# Altium PCB PCB1.PcbDoc
Units mm, origin at the board's own origin, x right, y up, seen from the top; angles counter-clockwise.
Board outline 232.41 x 119.38 mm, 2 copper layers (Top Layer, Bottom Layer); 157 components, 99 nets, 400 pads, 21 vias.
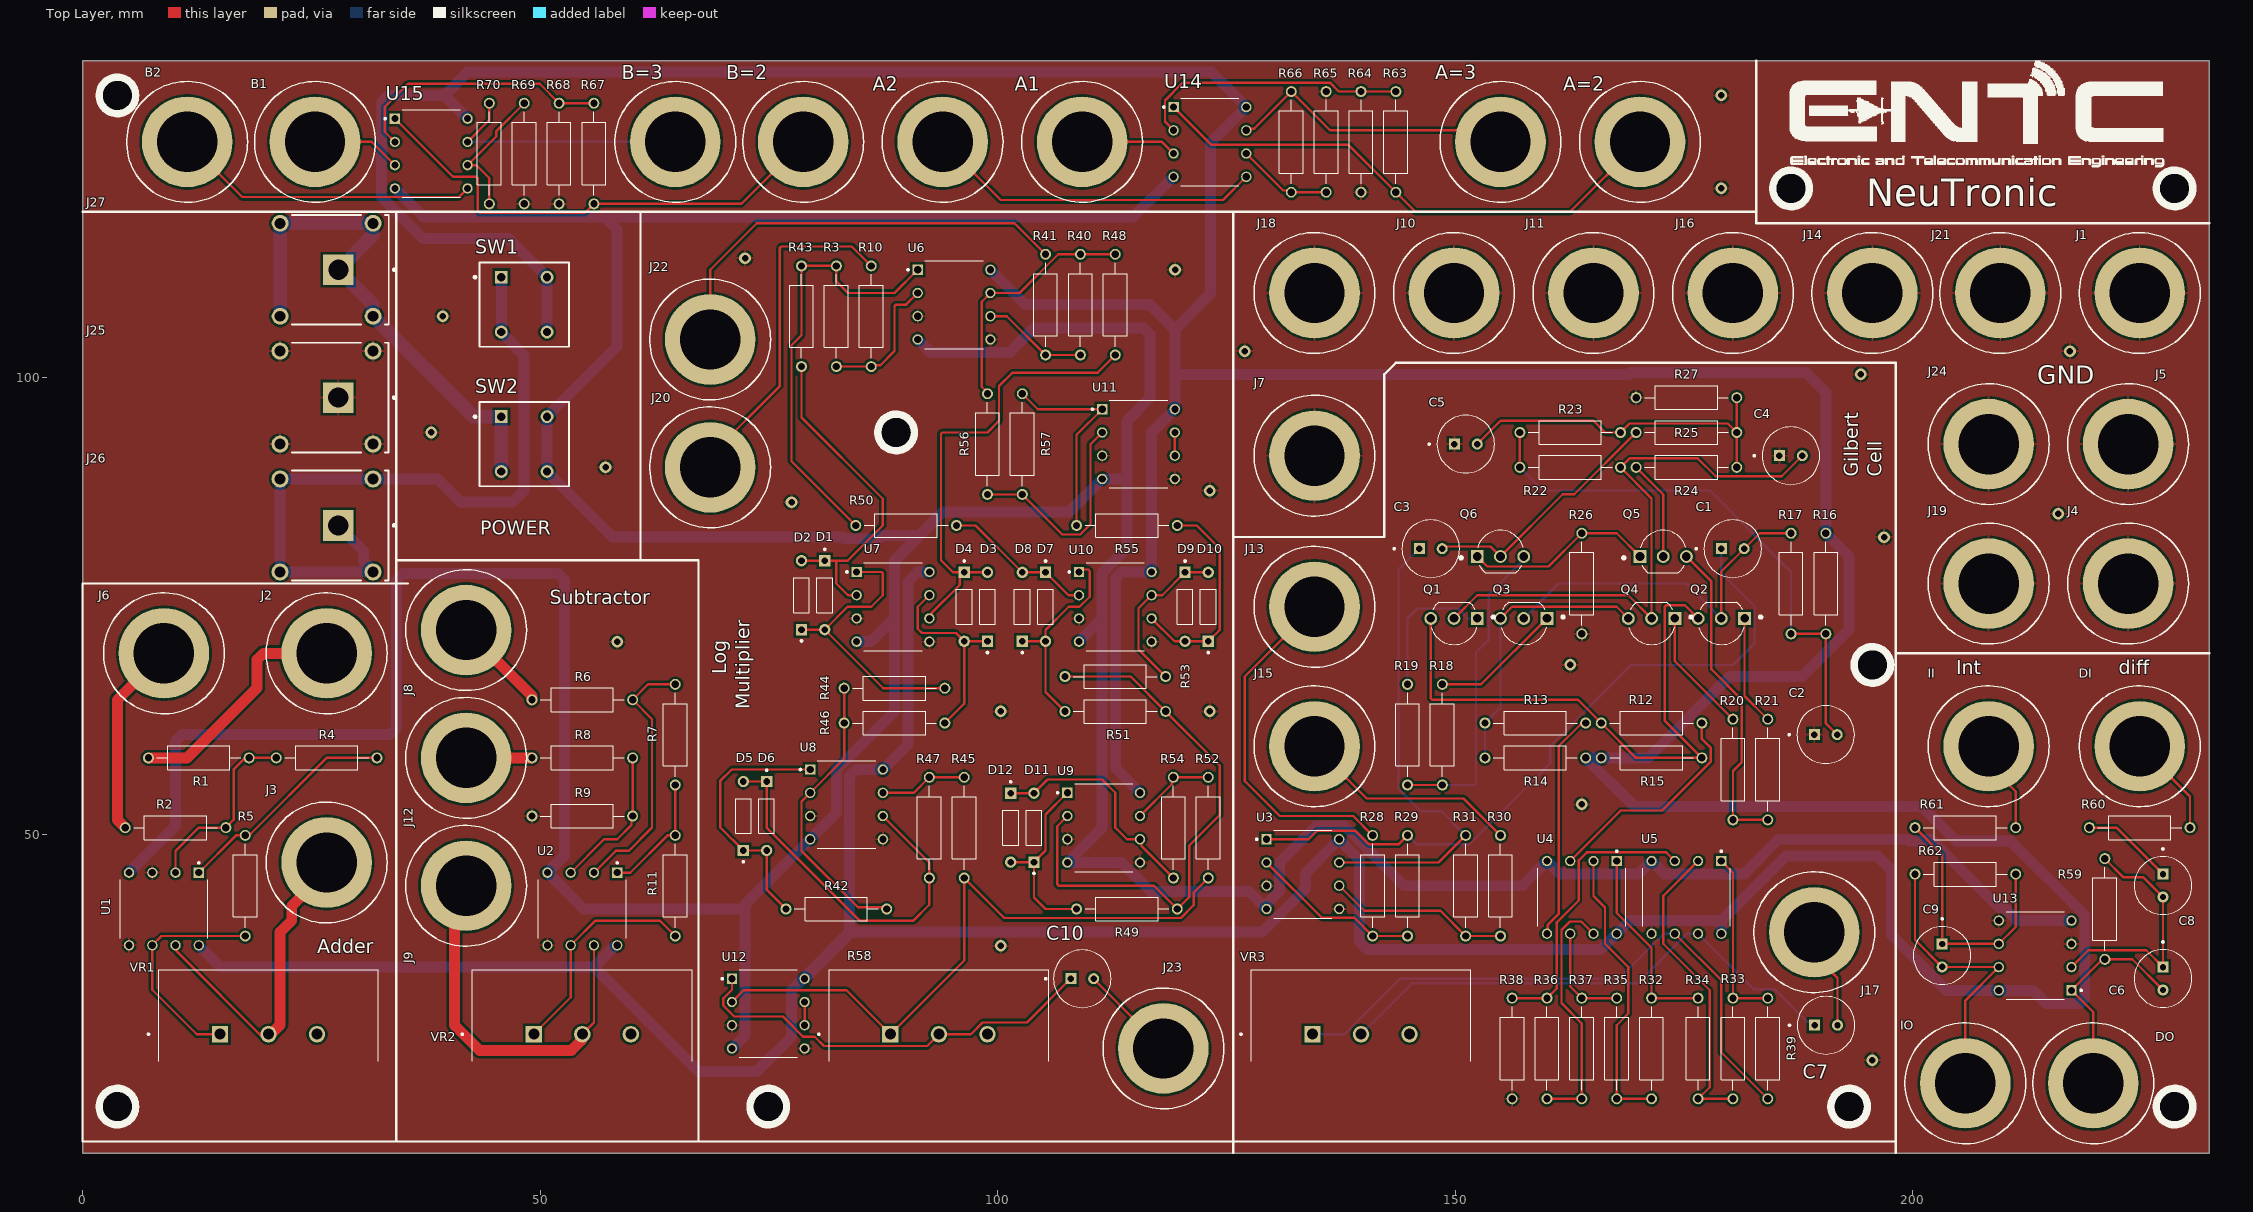
[diagram p0: Top Layer view]
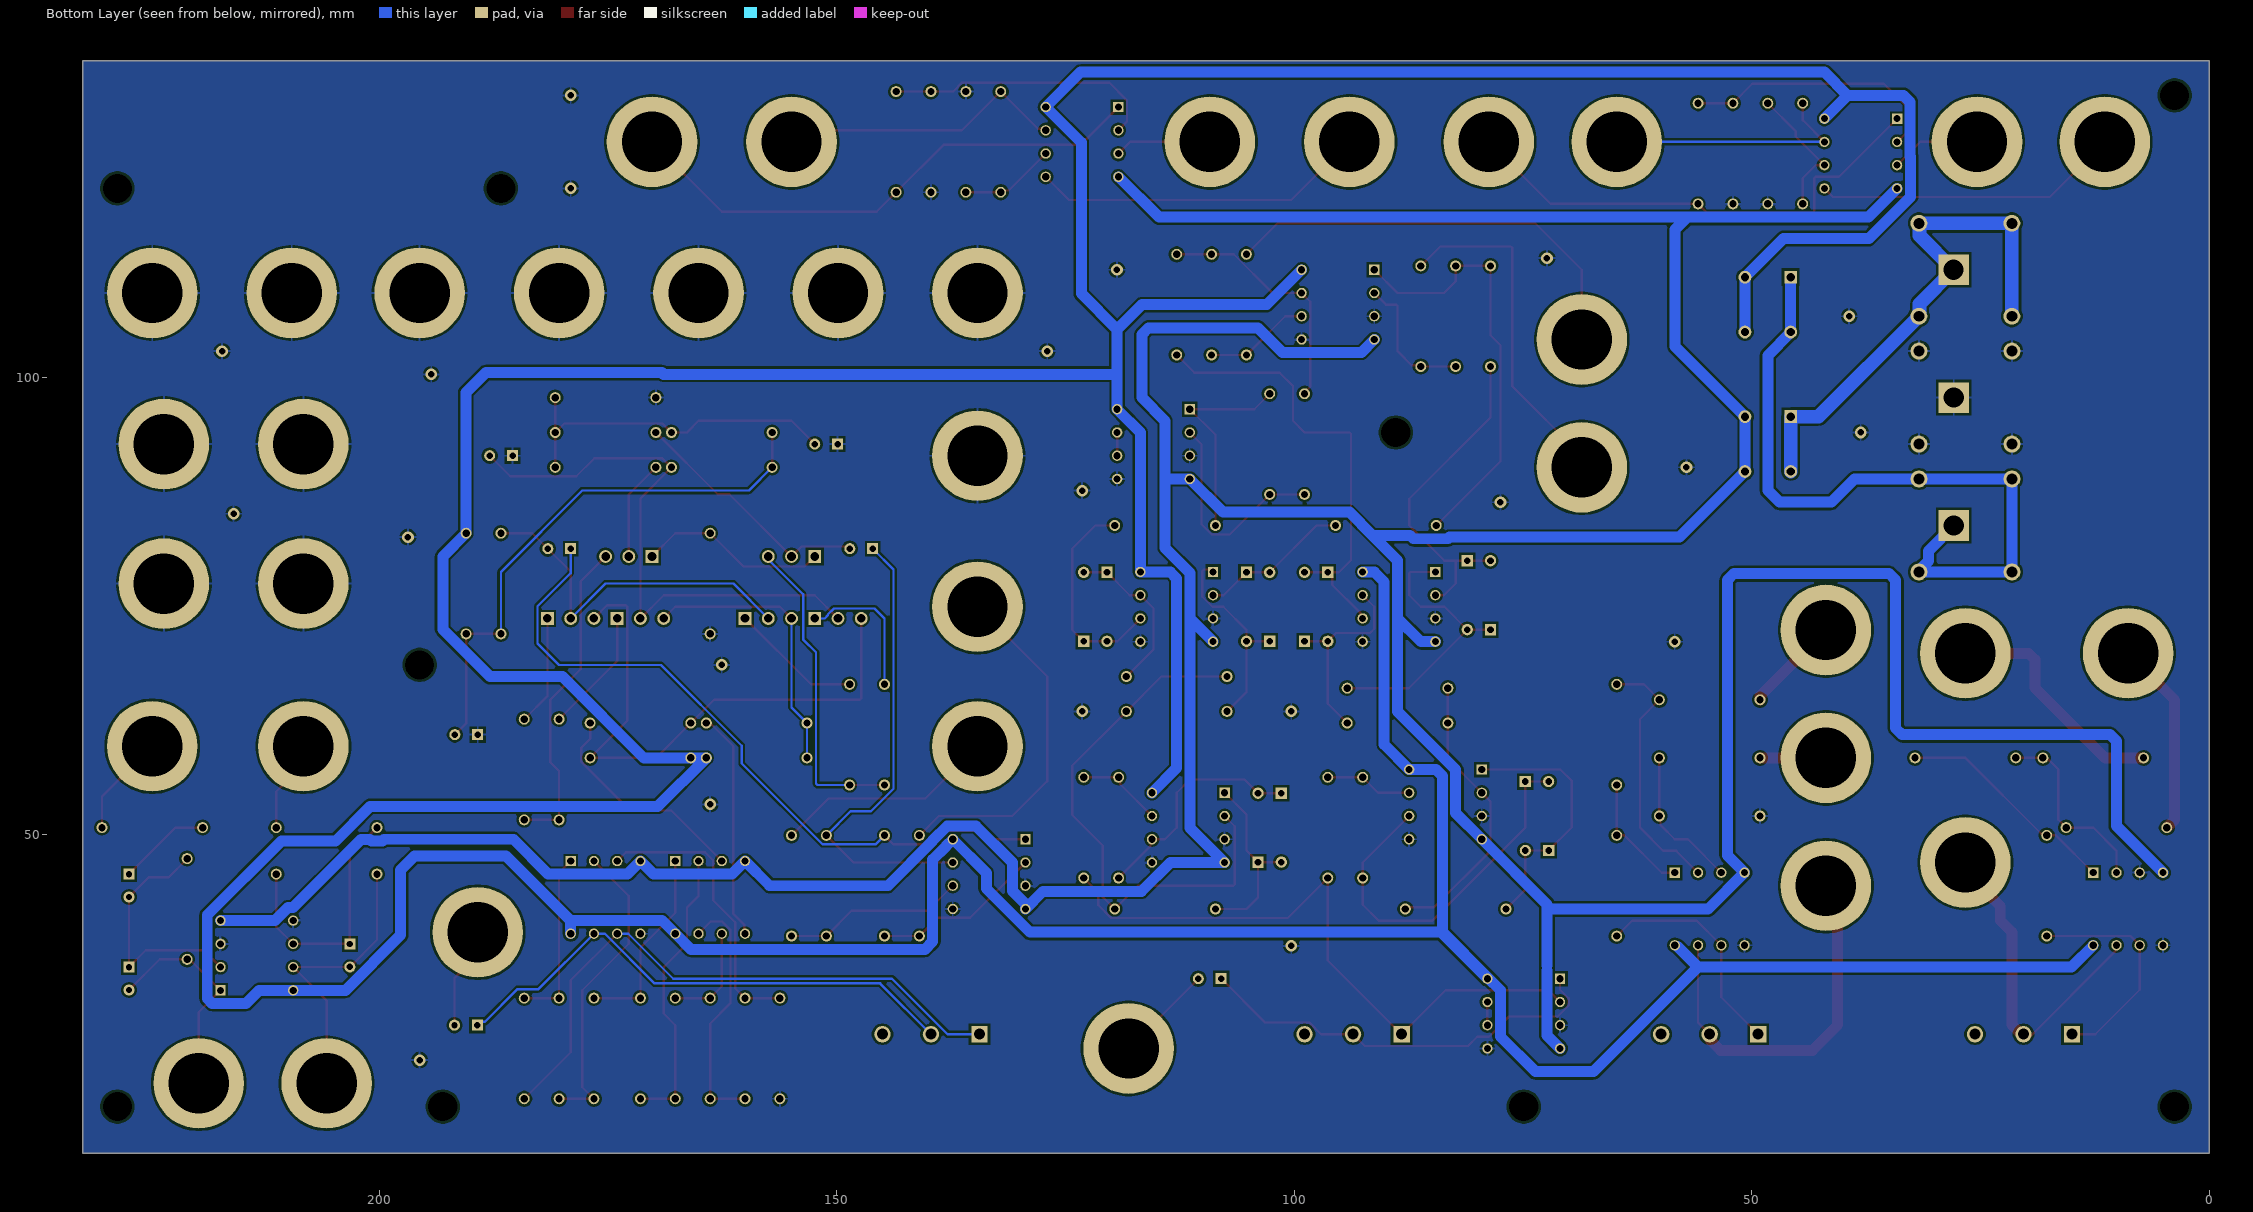
[diagram p1: Bottom Layer view, seen from below]
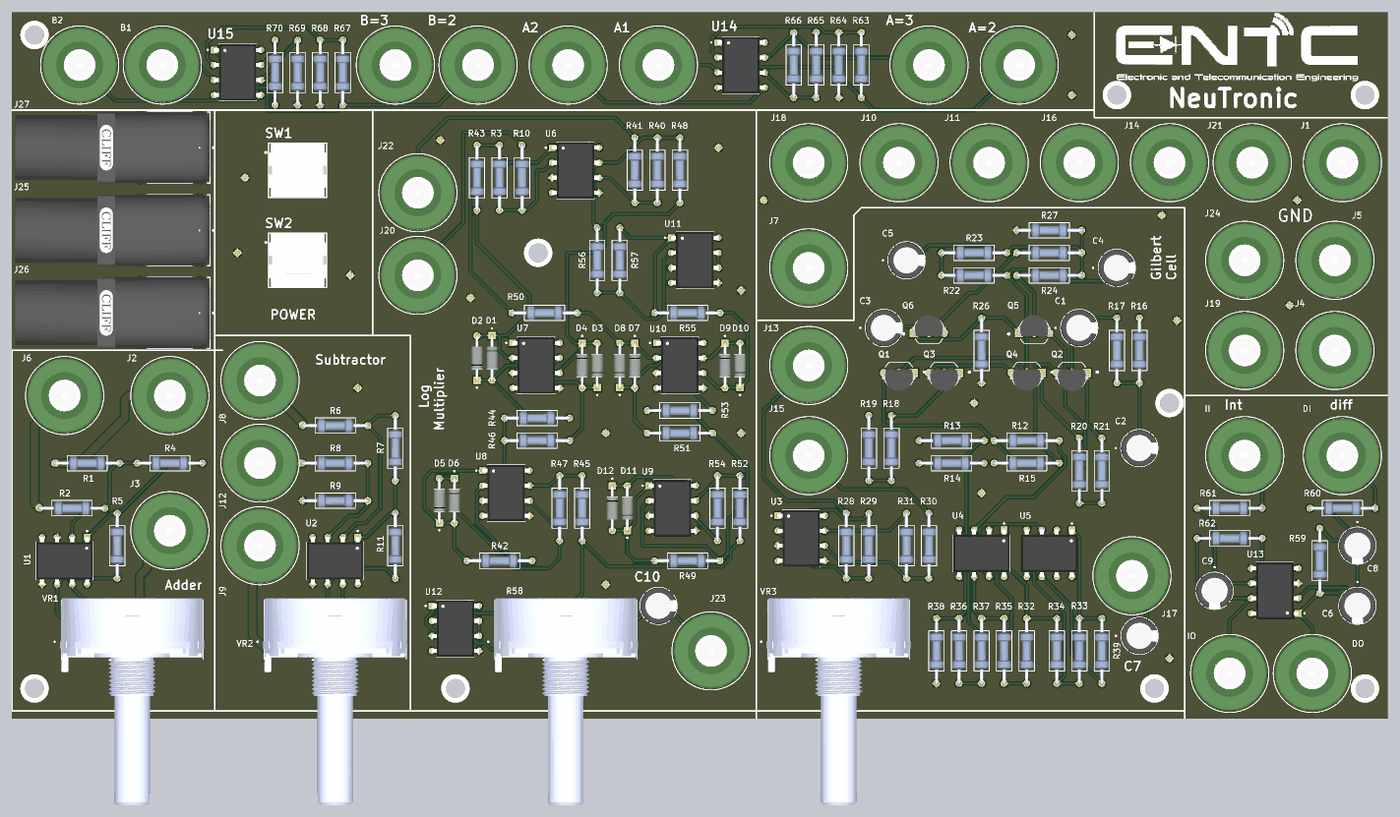
[diagram p2: 3D render of the assembled board from above, using the file's embedded part models]

## Layer stack, top to bottom
Top Solder: solder mask 0.0102, Solder Resist, Dk 3.5
Top Layer: signal copper 0.0356
Dielectric 1: dielectric 0.32, FR-4, Dk 4.8
Bottom Layer: signal copper 0.0356
Bottom Solder: solder mask 0.0102, Solder Resist, Dk 3.5

## Board outline
232.41,15.24 232.41,134.62 0,134.62 0,15.24

## Design rules (kind name [scope] priority, off if disabled: settings)
Clearance [All] p1: gap=0.254 ignorepadtopadclearanceinfootprint=FALSE
PolygonConnect [All] p1: connectstyle=Relief reliefconductorwidth=0.254 reliefentries=4 polygonreliefangle="90 Angle" airgapwidth=0.254
RoutingVias [All] p1: holewidth=0.711 width=1.27 viastyle="Through Hole" minholewidth=0.711 minwidth=1.27 maxholewidth=0.711 maxwidth=1.27
SolderMaskExpansion [All] p1: expansion=0.102 istentingtop=FALSE
SupplyNets "Schematic Supply Nets_5" [InNet('-12')] p1: voltage=0.000
SupplyNets "Schematic Supply Nets_3" [InNet('+12')] p2: voltage=0.000
SupplyNets "Schematic Supply Nets" [InNet('GND')] p3: voltage=0.000
Width [All] p1: maxlimit=1.5 minlimit=0.254 preferedwidth=0.254
30 further rules are at their usual default settings.

## Classes and differential pairs
component class gain: A1 A2 A=2 A=3 B1 B2 B=2 B=3 R63 R64 R65 R66 R67 R68 R69 R70 U14 U15
component class Intdiff: C6 C8 C9 DI DO II IO R59 R60 R61 R62 U13
component class logMultiplier: C10 D1 D2 D3 D4 D5 D6 D7 D8 D9 D10 D11 D12 J19 J20 J21 J22 J23 J24 R3 R10 R40 R41 R42 R43 R44 R45 R46 R47 R48 R49 R50 R51 R52 R53 R54 R55 R56 R57 R58 U6 U7 U8 U9 U10 U11 U12
component class Subtractor: J7 J8 J9 J10 J11 J12 R6 R7 R8 R9 R11 U2 VR2
component class Multiplier: C1 C2 C3 C4 C5 C7 J13 J14 J15 J16 J17 J18 Q1 Q2 Q3 Q4 Q5 Q6 R12 R13 R14 R15 R16 R17 R18 R19 R20 R21 R22 R23 R24 R25 R26 R27 R28 R29 R30 R31 R32 R33 R34 R35 R36 R37 R38 R39 U3 U4 U5 VR3
component class Adder: J1 J2 J3 J4 J5 J6 J25 J26 J27 R1 R2 R4 R5 SW1 SW2 U1 VR1

## Components (designator, comment, footprint, x,y, rotation, side; value= is the part's Value field where it differs from the comment)
A1 "1581-5" FP-1581-5-MFG 109.22,125.73 r0 top
A2 "1581-5" FP-1581-5-MFG 93.98,125.73 r0 top
A=2 "1581-5" FP-1581-5-MFG 170.18,125.73 r0 top
A=3 "1581-5" FP-1581-5-MFG 154.94,125.73 r0 top
B1 "1581-5" FP-1581-5-MFG 25.4,125.73 r0 top
B2 "1581-5" FP-1581-5-MFG 11.43,125.73 r0 top
B=2 "1581-5" FP-1581-5-MFG 78.74,125.73 r0 top
B=3 "1581-5" FP-1581-5-MFG 64.77,125.73 r0 top
C1 "EEUFS1J681S" CAPPRD250W50D630H1250 180.32,81.28 r0 top
C2 "EEUFS1J681S" CAPPRD250W50D630H1250 190.48,60.96 r0 top
C3 "EEUFS1J681S" CAPPRD250W50D630H1250 147.32,81.28 r0 top
C4 "EEUFS1J681S" CAPPRD250W50D630H1250 186.67,91.44 r0 top
C5 "EEUFS1J681S" CAPPRD250W50D630H1250 151.15,92.71 r0 top
C6 "1uF" CAPPRD250W50D630H1250 227.33,34.31 r270 top
C7 "EEUFS1J681S" CAPPRD250W50D630H1250 190.52,29.21 r0 top
C8 "1uF" CAPPRD250W50D630H1250 227.33,44.47 r270 top
C9 "1uF" CAPPRD250W50D630H1250 203.2,36.83 r270 top
C10 "EEUFS1J681S" CAPPRD250W50D630H1250 109.24,34.29 r0 top
D1 "1N4148" DIOAD753W49L380D172B 81.1,76.2 r270 top
D2 "1N4148" DIOAD753W49L380D172B 78.56,76.2 r90 top
D3 "1N4148" DIOAD753W49L380D172B 98.88,74.93 r90 top
D4 "1N4148" DIOAD753W49L380D172B 96.34,74.93 r270 top
D5 "1N4148" DIOAD753W49L380D172B 72.21,52.07 r90 top
D6 "1N4148" DIOAD753W49L380D172B 74.75,52.07 r270 top
D7 "1N4148" DIOAD753W49L380D172B 105.23,74.93 r270 top
D8 "1N4148" DIOAD753W49L380D172B 102.69,74.93 r90 top
D9 "1N4148" DIOAD753W49L380D172B 120.47,74.93 r270 top
D10 "1N4148" DIOAD753W49L380D172B 123.01,74.93 r90 top
D11 "1N4148" DIOAD753W49L380D172B 103.96,50.8 r90 top
D12 "1N4148" DIOAD753W49L380D172B 101.42,50.8 r270 top
DI "1581-5" FP-1581-5-MFG 224.79,59.69 r180 top
DO "1581-5" FP-1581-5-MFG 219.71,22.86 r180 top
II "1581-5" FP-1581-5-MFG 208.28,59.69 r180 top
IO "1581-5" FP-1581-5-MFG 205.74,22.86 r180 top
J1 "" FP-1581-5-MFG 224.79,109.22 r0 top
J2 "1581-5" FP-1581-5-MFG 26.67,69.85 r0 top
J3 "1581-5" FP-1581-5-MFG 26.67,46.99 r0 top
J4 "1581-5" FP-1581-5-MFG 223.52,77.47 r0 top
J5 "1581-5" FP-1581-5-MFG 223.52,92.71 r0 top
J6 "1581-5" FP-1581-5-MFG 8.89,69.85 r0 top
J7 "1581-5" FP-1581-5-MFG 134.62,91.44 r0 top
J8 "1581-5" FP-1581-5-MFG 41.91,72.39 r0 top
J9 "1581-5" FP-1581-5-MFG 41.91,44.45 r0 top
J10 "1581-5" FP-1581-5-MFG 149.86,109.22 r0 top
J11 "1581-5" FP-1581-5-MFG 165.1,109.22 r0 top
J12 "1581-5" FP-1581-5-MFG 41.91,58.42 r0 top
J13 "1581-5" FP-1581-5-MFG 134.62,74.93 r0 top
J14 "1581-5" FP-1581-5-MFG 195.58,109.22 r0 top
J15 "1581-5" FP-1581-5-MFG 134.62,59.69 r0 top
J16 "1581-5" FP-1581-5-MFG 180.34,109.22 r0 top
J17 "1581-5" FP-1581-5-MFG 189.23,39.37 r0 top
J18 "1581-5" FP-1581-5-MFG 134.62,109.22 r0 top
J19 "1581-5" FP-1581-5-MFG 208.28,77.47 r0 top
J20 "1581-5" FP-1581-5-MFG 68.58,90.17 r0 top
J21 "1581-5" FP-1581-5-MFG 209.55,109.22 r0 top
J22 "1581-5" FP-1581-5-MFG 68.58,104.14 r0 top
J23 "1581-5" FP-1581-5-MFG 118.11,26.67 r0 top
J24 "1581-5" FP-1581-5-MFG 208.28,92.71 r0 top
J25 "GND" FP-FCR7350B-MFG 16.94,97.79 r0 top
J26 "+12" FP-FCR7350B-MFG 16.94,83.82 r0 top
J27 "-12" FP-FCR7350B-MFG 16.95,111.76 r0 top
Q1 "2N3904TF" TO92254P520H877-3 149.86,72.807 r180 top
Q2 "2N3904TF" TO92254P520H877-3 179.07,72.807 r180 top
Q3 "2N3904TF" TO92254P520H877-3 157.48,72.807 r180 top
Q4 "2N3904TF" TO92254P520H877-3 171.45,72.807 r180 top
Q5 "2N3904TF" TO92254P520H877-3 172.72,81.28 r0 top
Q6 "2N3904TF" TO92254P520H877-3 154.94,81.28 r0 top
R1 "MFR-25FBF52-1K" RESAD1100W55L680D260 12.7,58.42 r0 top value=10K
R2 "MFR-25FBF52-1K" RESAD1100W55L680D260 10.16,50.8 r0 top value=10k
R3 "MFR-25FBF52-1K" RESAD1100W55L680D260 82.37,106.68 r90 top value=330
R4 "MFR-25FBF52-1K" RESAD1100W55L680D260 26.67,58.42 r180 top value=10k
R5 "MFR-25FBF52-1K" RESAD1100W55L680D260 17.78,44.45 r270 top value=10k
R6 "MFR-25FBF52-1K" RESAD1100W55L680D260 54.61,64.77 r0 top value=2.2K
R7 "MFR-25FBF52-1K" RESAD1100W55L680D260 64.77,60.96 r90 top value=2.2K
R8 "MFR-25FBF52-1K" RESAD1100W55L680D260 54.61,58.42 r0 top value=2.2K
R9 "MFR-25FBF52-1K" RESAD1100W55L680D260 54.61,52.07 r0 top value=2.2K
R10 "MFR-25FBF52-1K" RESAD1100W55L680D260 86.18,106.68 r270 top value=20k
R11 "MFR-25FBF52-1K" RESAD1100W55L680D260 64.77,44.45 r270 top value=5.6K
R12 "MFR-25FBF52-1K" RESAD1100W55L680D260 171.45,62.23 r0 top value=100k
R13 "MFR-25FBF52-1K" RESAD1100W55L680D260 158.75,62.23 r0 top value=100k
R14 "MFR-25FBF52-1K" RESAD1100W55L680D260 158.75,58.42 r0 top value=270
R15 "MFR-25FBF52-1K" RESAD1100W55L680D260 171.45,58.42 r180 top value=270
R16 "MFR-25FBF52-1K" RESAD1100W55L680D260 190.5,77.47 r90 top value=4.7K
R17 "MFR-25FBF52-1K" RESAD1100W55L680D260 186.69,77.47 r270 top value=2.2K
R18 "MFR-25FBF52-1K" RESAD1100W55L680D260 148.59,60.96 r90 top value=33
R19 "MFR-25FBF52-1K" RESAD1100W55L680D260 144.78,60.96 r90 top value=33
R20 "MFR-25FBF52-1K" RESAD1100W55L680D260 180.34,57.15 r90 top value=33
R21 "MFR-25FBF52-1K" RESAD1100W55L680D260 184.15,57.15 r90 top value=33
R22 "MFR-25FBF52-1K" RESAD1100W55L680D260 162.56,90.17 r180 top value=2.2K
R23 "MFR-25FBF52-1K" RESAD1100W55L680D260 162.56,93.98 r180 top value=3.3K
R24 "MFR-25FBF52-1K" RESAD1100W55L680D260 175.26,90.17 r0 top value=2.2K
R25 "MFR-25FBF52-1K" RESAD1100W55L680D260 175.26,93.98 r0 top value=2.2K
R26 "MFR-25FBF52-1K" RESAD1100W55L680D260 163.83,77.47 r90 top value=560
R27 "MFR-25FBF52-1K" RESAD1100W55L680D260 175.26,97.79 r0 top value=2.2K
R28 "MFR-25FBF52-1K" RESAD1100W55L680D260 140.97,44.45 r90 top value=10k
R29 "MFR-25FBF52-1K" RESAD1100W55L680D260 144.78,44.45 r90 top value=68
R30 "MFR-25FBF52-1K" RESAD1100W55L680D260 154.94,44.45 r90 top value=10k
R31 "MFR-25FBF52-1K" RESAD1100W55L680D260 151.13,44.45 r90 top value=10k
R32 "MFR-25FBF52-1K" RESAD1100W55L680D260 171.45,26.67 r90 top value=10k
R33 "MFR-25FBF52-1K" RESAD1100W55L680D260 180.34,26.67 r90 top value=10k
R34 "MFR-25FBF52-1K" RESAD1100W55L680D260 176.53,26.67 r270 top value=10k
R35 "MFR-25FBF52-1K" RESAD1100W55L680D260 167.64,26.67 r270 top value=10k
R36 "MFR-25FBF52-1K" RESAD1100W55L680D260 160.02,26.67 r90 top value=10k
R37 "MFR-25FBF52-1K" RESAD1100W55L680D260 163.83,26.67 r90 top value=10k
R38 "MFR-25FBF52-1K" RESAD1100W55L680D260 156.21,26.67 r90 top value=10k
R39 "MFR-25FBF52-1K" RESAD1100W55L680D260 184.15,26.67 r90 top value=22k
R40 "MFR-25FBF52-1K" RESAD1100W55L680D260 109.04,107.95 r90 top value=330
R41 "MFR-25FBF52-1K" RESAD1100W55L680D260 105.23,107.95 r270 top value=20k
R42 "MFR-25FBF52-1K" RESAD1100W55L680D260 82.37,41.91 r180 top value=1k
R43 "MFR-25FBF52-1K" RESAD1100W55L680D260 78.56,106.68 r270 top value=20k
R44 "MFR-25FBF52-1K" RESAD1100W55L680D260 88.72,66.04 r180 top value=1k
R45 "MFR-25FBF52-1K" RESAD1100W55L680D260 96.34,50.8 r270 top value=51k
R46 "MFR-25FBF52-1K" RESAD1100W55L680D260 88.72,62.23 r180 top value=1k
R47 "MFR-25FBF52-1K" RESAD1100W55L680D260 92.53,50.8 r270 top value=1k
R48 "MFR-25FBF52-1K" RESAD1100W55L680D260 112.85,107.95 r270 top value=20k
R49 "MFR-25FBF52-1K" RESAD1100W55L680D260 114.12,41.91 r180 top value=1k
R50 "MFR-25FBF52-1K" RESAD1100W55L680D260 89.99,83.82 r0 top value=20k
R51 "MFR-25FBF52-1K" RESAD1100W55L680D260 112.85,63.5 r0 top value=1k
R52 "MFR-25FBF52-1K" RESAD1100W55L680D260 123.01,50.8 r270 top value=51k
R53 "MFR-25FBF52-1K" RESAD1100W55L680D260 112.85,67.31 r180 top value=1k
R54 "MFR-25FBF52-1K" RESAD1100W55L680D260 119.2,50.8 r270 top value=1k
R55 "MFR-25FBF52-1K" RESAD1100W55L680D260 114.12,83.82 r0 top value=20k
R56 "MFR-25FBF52-1K" RESAD1100W55L680D260 98.88,92.71 r270 top value=5.1k
R57 "MFR-25FBF52-1K" RESAD1100W55L680D260 102.69,92.71 r90 top value=5.1k
R58 "PTN24A-A10025EB" TRIM_PTN24A-A10025EB 93.58,28.225 r0 top
R59 "MFR-25FBF52-1K" RESAD1100W55L680D260 220.98,41.91 r90 top value=1K
R60 "MFR-25FBF52-1K" RESAD1100W55L680D260 224.79,50.8 r180 top value=1K
R61 "MFR-25FBF52-1K" RESAD1100W55L680D260 205.74,50.8 r180 top value=1k
R62 "MFR-25FBF52-1K" RESAD1100W55L680D260 205.74,45.72 r0 top value=1k
R63 "MFR-25FBF52-1K" RESAD1100W55L680D260 143.51,125.73 r270 top value=1K
R64 "MFR-25FBF52-1K" RESAD1100W55L680D260 139.7,125.73 r90 top value=1K
R65 "MFR-25FBF52-1K" RESAD1100W55L680D260 135.89,125.73 r270 top value=1K
R66 "MFR-25FBF52-1K" RESAD1100W55L680D260 132.08,125.73 r90 top value=2K
R67 "MFR-25FBF52-1K" RESAD1100W55L680D260 55.88,124.46 r270 top value=1K
R68 "MFR-25FBF52-1K" RESAD1100W55L680D260 52.07,124.46 r90 top value=1K
R69 "MFR-25FBF52-1K" RESAD1100W55L680D260 48.26,124.46 r90 top value=1K
R70 "MFR-25FBF52-1K" RESAD1100W55L680D260 44.45,124.46 r90 top value=2K
SW1 "PVA1EEH11.2NV2" FP-PVA1EEH11_2NV2-MFG 48.26,107.95 r0 top
SW2 "PVA1EEH11.2NV2" FP-PVA1EEH11_2NV2-MFG 48.26,92.71 r0 top
U1 "NE5532P" DIP794W45P254L959H508Q8 8.89,41.91 r270 top
U2 "NE5532P" DIP794W45P254L959H508Q8 54.61,41.91 r270 top
U3 "NE5532P" DIP794W45P254L959H508Q8 133.35,45.72 r0 top
U4 "NE5532P" DIP794W45P254L959H508Q8 163.83,43.18 r270 top
U5 "NE5532P" DIP794W45P254L959H508Q8 175.26,43.18 r270 top
U6 "NE5532P" DIP794W45P254L959H508Q8 95.23,107.95 r0 top
U7 "NE5532P" DIP794W45P254L959H508Q8 88.56,74.93 r0 top
U8 "NE5532P" DIP794W45P254L959H508Q8 83.48,53.34 r0 top
U9 "NE5532P" DIP794W45P254L959H508Q8 111.58,50.8 r0 top
U10 "NE5532P" DIP794W45P254L959H508Q8 112.85,74.93 r0 top
U11 "NE5532P" DIP794W45P254L959H508Q8 115.39,92.71 r0 top
U12 "NE5532P" DIP794W45P254L959H508Q8 74.93,30.48 r0 top
U13 "NE5532P" DIP794W45P254L959H508Q8 213.36,36.83 r180 top
U14 "NE5532P" DIP794W45P254L959H508Q8 123.19,125.73 r0 top
U15 "NE5532P" DIP794W45P254L959H508Q8 38.1,124.46 r0 top